# KiCad board panel1.kicad_pcb (continued)
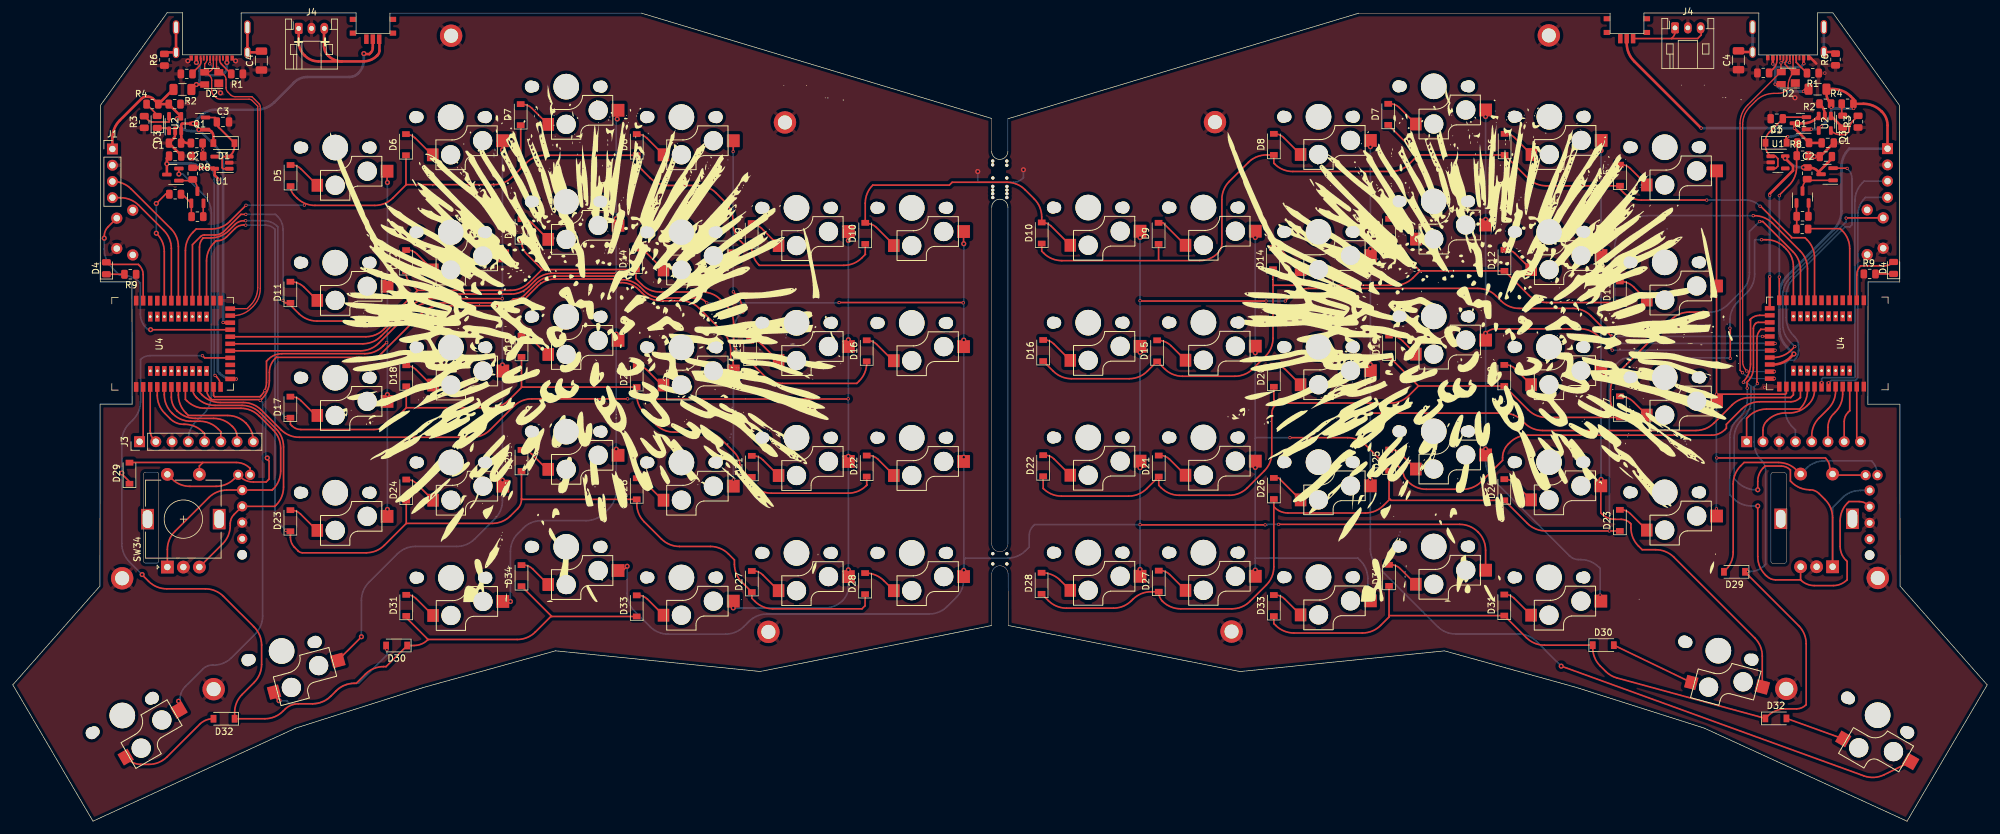
[diagram p0: board, top side]
## Routing (per net, layer and track width the routed paths; a pad name or vN(x,y) marks a point on that pad's centre or on a via; arc(x,y) is an arc through that point)
GND: length 22.2
  Top w0.4: C1.2 26.32,104.14 C2.2 ; C1#2.2 282.45,103.96 C2#2.2 ; U2#2.2 283.18,110.55 arc(283.02,111.32) 282.59,111.97 R2#2.2 ; 25.37,108.02 25.37,107.45 arc(25.29,107.07) 25.08,106.74 24.41,106.07 ; 281.84,118.52 280.94,119.42 J2.A1
  Bottom w0.25: v1(157.94,101.9) 157.94,100.66 157.81,100.53 arc(157.16,100.1) 156.4,99.94 150.8,99.94 v1(150.8,101.62)
  vias: v1(27.35,118.92) v1(32.46,113.92) v1(34.82,118.92) v1(278.51,113.16) v1(281.53,103.96) v2(27.43,112.29) v2(273.76,67.84) v2(283.18,117.02)
VBAT: length 84.5
  Top w0.4: SW33.2 56.26,120.94 arc(56.18,120.56) 55.96,120.23 55.72,119.99 54.94,119.99 v1(54.86,120.07) ; 27.81,106.07 27.32,106.07 arc(26.61,106.36) 26.32,107.07 26.32,108.95 26.49,109.12 v1(28.18,109.12) ; SW33#2.2 252.22,121.7 arc(252.52,120.17) 253.39,118.87 v2(263.85,108.41) ; U2#2.3 281.97,110.05 arc(280.99,109.4) 279.84,109.17 Q1.3 v2(278.43,108.41) 278.43,108.4 R7.2 280.73,106.1 C1#2.1
  Bottom w0.4: v1(54.86,120.07) 54.86,119.1 arc(54.63,117.95) 53.98,116.98 arc(53.35,116.56) 52.61,116.41 46.04,116.41 arc(44.9,116.18) 43.92,115.53 43.92,115.5 40.87,112.45 arc(39.57,111.58) 38.04,111.28 31.58,111.28 arc(30.43,111.05) 29.46,110.4 v1(28.18,109.12) ; v2(278.43,108.41) v2(263.85,108.41)
VBUS: length 142.6
  Top w0.4: v2(287.68,111.48) 287.64,111.52 R4.1 ; U4#2.22 32.89,77.98 v2(32.86,78) ; U2.4 26.1,110.26 v1(25.73,109.88) ; R2#2.1 284.02,112.36 arc(283.59,113.01) 283.44,113.78 F1#2.1 283.46,114.53 284.42,114.53 arc(285.95,114.22) 287.25,113.36 287.64,112.97 R4.1 ; 22.75,112.17 23.94,112.17 arc(24.32,112.09) 24.65,111.87 26.3,110.22 ; 22.75,112.17 21.9,113.02 arc(21.58,113.24) 21.19,113.31 20.82,113.31 arc(20.44,113.24) 20.12,113.02 16.74,109.64 arc(15.87,108.34) 15.57,106.81 J1.1 ; 22.75,112.17 25.04,114.45 ; v2(277.37,107.06) 277.21,106.9 D1.2 ; Q1#2.1 30.1,108.15 v1(29.08,108.15) ; J1#2.1 292.98,108.85 arc(292.75,110) 292.1,110.97 292.03,111.05 arc(290.73,111.91) 289.2,112.22 R4.1 ; U4.22 275.04,71.43 arc(276.57,71.73) 277.86,72.6 v1(278.35,73.08) ; D1#2.2 31.34,107.15 arc(31.26,107.54) 31.05,107.86 31.03,107.88 arc(30.71,108.09) 30.33,108.17
  Bottom w0.4: v2(277.37,107.06) 277.39,107.06 arc(278.92,107.37) 280.22,108.23 280.24,108.25 v2(281.08,108.25) 282.22,108.25 v2(282.61,108.65) 283.3,109.33 arc(283.95,110.31) 284.18,111.45 v2(284.18,111.66) 284.35,111.48 v2(287.68,111.48) ; v2(32.86,78) 32.86,102.71 arc(32.56,104.24) 31.69,105.54 v1(29.08,108.15) 28.88,107.95 27.91,107.95 arc(26.76,108.18) 25.79,108.83 25.73,108.89 v1(25.73,109.88) ; v1(278.35,73.08) 277.24,74.19 arc(276.38,75.49) 276.07,77.02 276.07,82.4 arc(276.38,83.93) 277.24,85.23 284.6,92.59 arc(285.47,93.88) 285.78,95.41 285.78,102.31 arc(286.08,103.84) 286.95,105.13 287.01,105.2 J1#2.1
VDD_NRF: length 82.9
  Top w0.4: U1#2.5 v1(276.99,103.68) 278.21,102.46 278.21,101.78 274.57,98.14 v2(274.57,97.91) ; U4.14 v2(274.57,85.16) ; U4#2.14 34.93,69.18 v2(34.95,69.16) ; C2#2.1 284.29,103.64 282.22,101.57 ; C2.1 24.08,103.7 v1(24.08,102.82) Q3#2.3 ; 282.22,101.57 282.11,101.67 arc(281.47,102.11) 280.7,102.26 R12#2.2 ; 282.22,101.57 Q3.3 ; v2(32.06,100.33) 32.06,100.53 31.55,101.03 U1.5 31.4,102.21 v1(29.26,102.21) R12.2
  Bottom w0.4: v2(32.06,100.33) 32.06,70.3 32.32,70.04 arc(33.29,69.39) 34.44,69.16 v2(34.95,69.16) ; v2(274.57,85.16) v2(274.57,97.91) ; v1(276.99,103.68) 277.53,103.14 arc(278.51,102.49) 279.65,102.26 v1(279.83,102.26) ; v1(29.26,102.21) 29.18,102.28 arc(28.53,102.72) 27.76,102.87 24.13,102.87 v1(24.08,102.82)
/CC1: length 6
  Top w0.25: R1#2.2 278.71,118.7 J2.A5 ; R1.2 32.63,118.4 arc(32.41,118.72) 32.34,119.1
/CC2: length 5.6
  Top w0.25: R5.2 275.12,117.7 arc(275.56,118.35) 275.71,119.11 J2.B5 ; J2#2.B5 29.41,119.29 29.41,118.8 arc(29.33,118.41) 29.12,118.09 28.09,117.06
BUSY: length 26.3
  Top w0.25: 288.74,59.41 288.17,59.98 U4.36 ; J3.8 37.59,59.46 arc(37.28,60.99) 36.42,62.28 36.41,62.29 arc(35.12,63.16) 33.58,63.46 27.44,63.46 27.05,63.86 arc(26.18,65.15) 25.88,66.68 U4#2.7
BVOLT: length 65.5
  Top w0.25: v2(31.61,69.72) 31.62,69.72 31.89,69.45 arc(32.32,68.8) 32.48,68.04 U4#2.13 ; 29.69,106.07 29.69,104.14 ; v2(276.07,97.84) 276.07,97.94 277.59,99.46 arc(278.46,100.76) 278.76,102.29 278.76,104.07 R8#2.2 278.88,104.19 R7.1 ; U4.13 v2(276.07,85.11)
  Bottom w0.25: v2(276.07,85.11) v2(276.07,97.84) ; v2(29.69,105) 29.71,104.98 29.71,104.59 arc(29.87,103.82) 30.3,103.17 30.31,103.16 arc(31.18,101.86) 31.48,100.33 31.48,69.85 v2(31.61,69.72)
COL0: length 210.5
  Top w0.25: U4.26 277.17,66.93 277.03,66.79 v2(266.26,66.79) SW2#2.2 ; v1(58.54,99.9) 58.49,99.95 SW2.2 ; SW32#2.S2 284.56,54.13 SW34#2.S2 283.95,54.75 283.95,55.31 arc(283.79,56.07) 283.36,56.72 283.26,56.82 v2(266.29,56.82) ; v1(39.77,56.82) 39.64,56.95 39.54,56.95 39.54,56.82 40.05,56.31 40.05,53.52 39.59,53.06 37.59,53.06 arc(36.44,53.29) 35.47,53.94 SW32.S2 34.59,53.55 arc(33.29,52.68) 31.76,52.38 27.69,52.38 arc(26.16,52.68) 24.86,53.55 SW34.S2 ; v2(266.24,48.87) 266.26,48.86 SW20#2.2 ; v2(58.42,74.88) 57.84,74.3 arc(56.54,73.43) 55.01,73.13 42.06,73.13 arc(40.91,72.9) 39.94,72.25 39.65,71.96 39.65,68.65 arc(39.42,67.51) 38.77,66.53 38.63,66.4 31.54,66.4 31.38,66.56 U4#2.12
  Bottom w0.25: v1(58.54,48.77) v1(58.54,66.73) 58.54,74.75 v2(58.42,74.88) 58.54,75.01 v1(58.54,84.68) v1(58.54,99.9) ; v2(39.4,67.35) 39.49,67.44 39.49,57 ; v2(266.26,66.79) 266.26,66.81 266.24,66.83 v2(266.24,48.87)
COL1: length 268.3
  Top w0.25: v2(76.5,81.74) 65.08,81.74 arc(63.55,81.43) 62.25,80.57 57.53,75.85 arc(56.23,74.98) 54.7,74.68 U4#2.19 ; U4.19 v2(275.41,74.73) ; v1(248.21,104.9) 248.22,104.92 SW3.2 ; SW21#2.2 248.17,48.22 248.3,48.1 arc(249.27,47.45) 250.42,47.22 251.34,47.22 arc(252.11,47.07) 252.76,46.63 252.88,46.51 252.88,45.88 arc(253.19,44.35) 254.05,43.05 254.64,42.47 256.76,42.47 arc(258.29,42.16) 259.59,41.3 272.23,28.66 arc(273.1,27.36) 273.4,25.83 SW26#2.2 ; v1(76.53,105) 76.52,105.01 SW3#2.2 ; v1(54.48,28.86) 54.48,28.83 SW26.2
  Bottom w0.25: 248.21,74.75 v1(248.21,89.41) v1(248.21,104.9) ; 248.21,74.75 v1(248.21,71.45) v1(248.21,53.47) ; 248.21,74.75 248.23,74.73 v2(275.41,74.73) ; v1(54.48,28.86) 54.48,34.54 arc(54.78,36.07) 55.65,37.37 60.09,41.81 arc(61.39,42.67) 62.92,42.98 69.36,42.98 arc(70.89,43.28) 72.19,44.15 75.35,47.32 arc(76.22,48.62) 76.53,50.15 v1(76.53,53.34) v1(76.53,71.37) v1(76.53,89.43) v1(76.53,105)
COL2: length 285.5
  Top w0.25: v2(94.31,85.71) 84.42,85.71 arc(82.89,85.41) 81.59,84.54 80.67,83.62 arc(79.37,82.75) 77.84,82.45 65.15,82.45 arc(63.62,82.14) 62.32,81.28 58,76.95 arc(56.7,76.08) 55.17,75.78 U4#2.20 ; SW27#2.2 77.76,34.38 v1(77.77,34.37) ; U4.20 275.38,73.63 v2(275.41,73.66) ; SW4#2.2 94.46,111.07 v1(94.46,109.83) ; v2(249.96,73.69) 247.81,75.84 arc(246.51,76.71) 244.98,77.01 231.69,77.01 arc(230.92,76.86) 230.27,76.43 v1(230.16,76.31)
  Bottom w0.25: v2(249.96,73.69) 249.99,73.66 v2(275.41,73.66) ; v1(77.77,34.37) 77.77,42.18 arc(78.08,43.71) 78.94,45.01 79.77,45.84 arc(81.07,46.71) 82.6,47.02 89.6,47.02 arc(91.13,47.32) 92.43,48.19 93.13,48.89 arc(94,50.19) 94.31,51.72 v1(94.31,58.19) v1(94.31,76.2) v2(94.31,85.71) v1(94.31,94.26) 94.31,109.93 94.38,110.01 94.46,109.93 v1(94.46,109.83) ; v2(248.06,35.38) 248.06,39.55 247.86,39.75 arc(246.56,40.61) 245.03,40.92 244.69,40.92 arc(243.93,41.07) 243.28,41.51 231.33,53.45 arc(230.47,54.75) 230.16,56.28 v1(230.16,58.2) v1(230.16,76.31) v1(230.16,94.12) v1(230.16,110.22)
COL3: length 439.7
  Top w0.25: SW5.2 112.59,104.77 v2(112.57,104.75) ; SW28.2 292.44,7.27 arc(290.89,6.85) 289.29,7.09 v1(241.99,24.26) ; v2(112.61,82.79) 112.92,82.48 arc(113.79,81.18) 114.09,79.65 v2(114.09,79.63) ; SW28#2.2 25.9,17.46 v1(25.9,18.77) ; U4#2.11 30.28,67.58 arc(30.43,66.81) 30.86,66.16 31.09,65.94 38.81,65.94 38.92,66.05 arc(39.79,67.35) 40.1,68.88 40.1,70.23 arc(40.32,71.37) 40.97,72.35 41.2,72.57 41.21,72.55 56.98,72.55 56.99,72.54 63.91,79.46 arc(65.2,80.32) 66.74,80.63 77.8,80.63 77.85,80.68 arc(78.5,81.11) 79.27,81.26 79.58,81.26 81.96,83.64 arc(83.26,84.51) 84.79,84.81 93.76,84.81 94.32,84.25 95.06,84.25 arc(96.59,83.95) 97.89,83.08 98.4,82.57 arc(99.7,81.7) 101.23,81.4 104.44,81.4 arc(105.97,81.1) 107.27,80.23 111.02,76.48 arc(111.88,75.19) 112.19,73.65 112.19,72.37 112.59,71.96 SW17.2 ; v2(212.14,63.83) 233.04,63.83 arc(234.57,63.53) 235.87,62.66 236.24,62.28 arc(237.54,61.42) 239.07,61.11 263.04,61.11 arc(264.57,61.42) 265.86,62.28 268.68,65.1 arc(269.98,65.96) 271.51,66.27 277.85,66.27 278.27,66.69 U4.27
  Bottom w0.25: v2(112.62,53.39) v2(112.62,69.42) 112.62,76.6 arc(112.92,78.13) 113.79,79.43 113.99,79.63 v2(114.09,79.63) ; v1(212.15,105.5) v1(212.15,89.5) v1(212.15,71.41) 212.15,63.84 v2(212.14,63.83) 212.15,63.82 212.15,42.61 arc(212.46,41.08) 213.33,39.79 222.65,30.46 arc(223.95,29.59) 225.48,29.29 235.3,29.29 arc(236.83,28.98) 238.13,28.11 v1(241.99,24.26) ; v1(25.9,18.77) 26.11,18.77 26.11,18.98 arc(26.34,20.12) 26.99,21.1 29.71,23.82 arc(30.36,24.26) 31.13,24.41 31.36,24.41 arc(32.89,24.71) 34.19,25.58 37.87,29.27 arc(38.74,30.56) 39.04,32.09 39.04,65.5 38.71,65.84 38.69,65.82 v2(38.66,65.82) ; v2(112.57,104.75) v2(112.57,87.48) 112.57,82.83 v2(112.61,82.79)
  vias: v1(212.15,53.45)
COL4: length 355.2
  Top w0.25: U4#2.10 29.18,67.09 29.6,66.66 arc(30.9,65.79) 32.43,65.49 36.01,65.49 arc(37.54,65.19) 38.84,64.32 41.93,61.23 arc(43.23,60.36) 44.76,60.05 71.78,60.05 arc(73.31,60.36) 74.61,61.23 78.28,64.89 arc(79.57,65.76) 81.1,66.07 v2(96.08,66.07) ; U4.28 279.37,66.29 279.27,66.19 arc(278.63,65.76) 277.86,65.61 272.98,65.61 arc(271.45,65.3) 270.15,64.44 267.79,62.08 267.79,61.47 267.58,61.25 arc(266.61,60.6) 265.46,60.38 236.76,60.38 arc(235.23,60.07) 233.93,59.2 233.7,58.97 arc(233.04,58) 232.82,56.85 232.82,56.44 229.47,53.09 arc(228.17,52.22) 226.64,51.92 220.91,51.92 arc(219.38,52.22) 218.08,53.09 217.86,53.31 arc(217.42,53.96) 217.27,54.73 217.27,54.76 216.36,55.67 arc(215.06,56.54) 213.53,56.85 213.41,56.85 211.43,58.82 arc(210.14,59.69) 208.6,59.99 v2(199.59,59.99) ; v2(130.55,66.07) 130.53,66.04 v2(99.11,66.04) ; v1(130.58,90.83) 130.58,90.83 SW6#2.2 ; v1(211.76,36.12) 212.16,35.72 SW29.2 ; SW29#2.2 v1(112.59,33.35)
  Bottom w0.25: 194.17,59.91 v1(194.17,55.33) 194.17,41.16 ; 194.17,59.91 v1(194.17,73.27) v1(194.17,91.3) ; 194.17,59.91 194.26,59.99 v2(199.59,59.99) ; v1(211.76,36.12) 211.76,37.94 arc(211.46,39.47) 210.59,40.77 210.2,41.16 194.17,41.16 ; v2(96.08,66.07) 99.08,66.07 v2(99.11,66.04) ; v1(112.59,33.35) 126.87,33.35 arc(128.4,33.66) 129.7,34.53 129.7,34.53 arc(130.35,35.5) 130.58,36.65 v1(130.58,39.32) v1(130.58,57.07) v1(130.58,75.31) v1(130.58,90.83) ; 194.17,41.16 v1(194.17,39.28)
COL5: length 486.1
  Top w0.25: v2(198.86,81.36) 199.67,82.17 arc(200.96,83.03) 202.49,83.34 228.98,83.34 arc(230.51,83.03) 231.8,82.17 232.58,81.38 arc(233.88,80.52) 235.41,80.21 243.81,80.21 arc(245.34,79.91) 246.64,79.04 249.86,75.82 v2(249.96,75.82) ; v1(96.01,39.88) 95.34,39.21 SW30#2.2 ; v2(176.16,46.39) 176.16,46.42 176.2,46.46 176.3,46.35 v2(195.71,46.35) ; U4.18 v2(273.43,75.83) ; SW7#2.2 148.58,90.35 v1(148.61,90.32) ; v2(108.45,81.08) 108.27,81.26 arc(107.62,81.7) 106.85,81.85 101.41,81.85 arc(99.88,82.15) 98.59,83.02 98.08,83.53 arc(96.78,84.4) 95.25,84.7 94.5,84.7 93.94,85.26 84.6,85.26 arc(83.07,84.96) 81.78,84.09 79.98,82.3 arc(79.34,81.86) 78.57,81.71 78.25,81.71 78.2,81.66 arc(77.56,81.23) 76.79,81.08 65.15,81.08 arc(63.62,80.77) 62.32,79.91 57.17,74.75 arc(55.87,73.88) 54.34,73.58 U4#2.18 ; v2(176.16,81.42) 176.1,81.36 v2(195.86,81.36) ; v2(148.54,81.08) 148.48,81.13 v2(129.13,81.13) ; SW30.2 230.16,42.4 arc(229.86,43.93) 228.99,45.23 228.96,45.26 arc(227.66,46.13) 226.13,46.43 v2(197.82,46.43)
  Bottom w0.25: v2(198.86,81.36) v2(195.86,81.36) ; v1(176.16,39.38) v2(176.16,46.39) ; v2(176.16,46.39) v1(176.16,55.28) v1(176.16,73.34) v2(176.16,81.42) v1(176.16,91.3) ; v2(176.16,46.39) 159.68,46.39 159.44,46.15 arc(159,45.5) 158.85,44.73 158.85,42.9 158.27,42.32 arc(156.97,41.45) 155.44,41.14 148.92,41.14 148.61,40.84 v1(148.61,39.24) ; v2(249.96,75.82) 249.97,75.83 v2(273.43,75.83) ; v2(129.13,81.13) 129.08,81.08 v2(108.45,81.08) ; v2(195.71,46.35) 195.99,46.35 196.06,46.43 v2(197.82,46.43) ; v1(96.01,39.88) 96.01,35.67 arc(96.31,34.14) 97.18,32.84 99.59,30.43 arc(100.88,29.57) 102.41,29.26 111.39,29.26 arc(112.93,29.57) 114.22,30.43 115.03,31.24 arc(116.33,32.11) 117.86,32.41 143.2,32.41 arc(144.73,32.72) 146.02,33.58 147.44,35 arc(148.31,36.3) 148.61,37.83 v1(148.61,39.24) ; v1(148.61,90.32) v1(148.61,75.26) v1(148.61,56.95) v1(148.61,39.24)
CS: length 25
  Top w0.25: U4.29 280.47,67.34 arc(280.16,65.81) 279.3,64.52 279.25,64.47 274.07,64.47 arc(272.54,64.16) 271.24,63.29 270.96,63.01 270.96,59.41 ; J3.1 20.38,59.93 U4#2.2
D+: length 110.9
  Top w0.2: J2.A6 277.71,118.72 v2(277.66,118.67) ; J2.B6 276.71,119 v2(276.33,118.62) 276.33,117.21 D2.3 276.29,117.18 271.1,112 arc(270.24,110.7) 269.93,109.17 269.93,70.53 v2(270.31,70.15) ; U4#2.24 36.63,80.18 37.11,80.66 arc(37.98,81.95) 38.28,83.48 38.28,111.85 37.4,112.73 arc(37.18,112.88) 36.93,112.93 32.44,112.93 arc(32.06,113.01) 31.73,113.22 31.38,113.58 arc(31.16,113.9) 31.09,114.28 31.09,115.89 arc(31.01,116.28) 30.79,116.6 30.26,117.13 ; D2#2.3 29.99,118.45 30.04,118.51 arc(30.26,118.83) 30.34,119.21 ; J2#2.A6 31.34,117.93 31.19,117.78 31.19,117.63 30.98,117.42 arc(30.66,117.21) 30.28,117.13
  Bottom w0.2: v2(275.31,69.24) 275.3,69.23 272.48,69.23 arc(271.33,69.46) 270.36,70.11 v2(270.31,70.15) ; v2(276.33,118.62) 276.38,118.67 v2(277.66,118.67)
D-: length 111.7
  Top w0.2: J2.A7 277.21,119.01 277.14,118.94 277.14,118.86 276.96,118.69 276.96,118.39 278.17,117.18 D2.2 278.21,117.53 J2.B7 ; U4#2.23 34.44,79.08 arc(35.97,79.38) 37.27,80.25 37.51,80.49 arc(38.38,81.79) 38.68,83.32 38.68,111.75 arc(38.63,111.99) 38.49,112.2 37.37,113.33 34.73,113.33 arc(34.35,113.4) 34.03,113.62 33.61,114.03 arc(33.4,114.36) 33.32,114.74 33.32,115.99 arc(33.24,116.38) 33.03,116.7 32.6,117.13 ; 278.38,117.18 278.32,117.12 arc(277.67,116.15) 277.44,115 277.44,114.55 277.32,114.43 arc(276.67,114) 275.9,113.84 275.22,113.84 arc(273.69,113.54) 272.39,112.67 271.5,111.78 arc(270.64,110.48) 270.33,108.95 270.33,71.9 arc(270.48,71.13) 270.92,70.48 v2(270.99,70.41) ; v2(32.05,117.78) 32.05,117.27 ; J2#2.A7 30.84,118.7 30.78,118.64 v2(30.78,118.47) ; J2#2.B7 31.84,117.48
  Bottom w0.2: v2(275.31,70.33) 275.3,70.33 271.07,70.33 ; v2(32.05,117.78) 32.1,117.73 32.1,117.58 32.08,117.58 arc(31.7,117.65) 31.38,117.87 v2(30.78,118.47)
DC: length 22.5
  Top w0.25: J3#2.2 273.51,61.17 arc(273.66,61.94) 274.09,62.59 274.19,62.68 arc(275.49,63.55) 277.02,63.86 277.62,63.86 arc(279.15,64.16) 280.45,65.03 280.69,65.27 arc(281.34,66.25) 281.57,67.39 U4.30 ; U4#2.3 21.48,61.06 arc(21.63,60.29) 22.06,59.65 J3.2
Earth: length 23.5
  Top w0.4: J2#2.S2 J2#2.S4 38.75,120.27 ; C4#2.2 269.87,120.32 J2.S3 ; R6#2.2 284.6,120.32 J2.S4 ; J2#2.S1 J2#2.S3 23.92,120.27
  Bottom w0.4: J2.S1 J2.S3 ; J2.S2 J2.S4
LED_1: length 21.9
  Top w0.25: D4.2 14.95,87.1 19.61,87.1 19.79,86.91 arc(20.22,86.26) 20.38,85.5 U4#2.36 ; D4#2.2 293.9,87.45 arc(293.25,87.02) 292.48,86.87 288.77,86.87 288.75,86.85 arc(288.32,86.2) 288.17,85.44 U4.2
MOSI: length 23.7
  Top w0.25: J3.6 32.51,60.94 32.05,61.39 arc(30.76,62.26) 29.23,62.56 27.82,62.56 arc(26.28,62.87) 24.99,63.73 24.85,63.87 arc(23.98,65.17) 23.68,66.7 U4#2.5 ; U4.34 285.97,66.8 arc(285.66,65.27) 284.8,63.97 284.55,63.72 arc(283.9,62.75) 283.67,61.6 J3#2.6
PWR: length 98.2
  Top w0.25: Q3.2 286.63,102.14 v2(286.66,102.11) ; Q3#2.2 25.95,101.22 v1(25.96,101.22)
  Bottom w0.25: v1(25.96,101.22) 26.59,101.22 29.86,97.95 arc(30.73,96.65) 31.04,95.12 31.04,66.58 arc(30.73,65.05) 29.86,63.75 28.6,62.49 arc(27.73,61.19) 27.43,59.66 J3.4 ; v2(286.66,102.11) 286.84,101.93 arc(287.27,101.28) 287.43,100.52 287.43,93.29 287.1,92.96 286.36,92.96 278.31,84.92 arc(277.44,83.62) 277.14,82.09 277.14,78.75 arc(277.44,77.22) 278.31,75.92 278.49,75.74 arc(278.92,75.09) 279.07,74.33 279.07,73.61 arc(278.92,72.85) 278.49,72.2 278.4,72.11 277.52,72.11 276.99,71.58 276.99,64.45 arc(277.29,62.91) 278.16,61.62 278.59,61.19 J3#2.4
PWR_EN: length 34.9
  Top w0.25: R10#2.1 23.87,98.07 v1(22.42,96.62) ; U4#2.33 23.68,89.06 arc(23.37,90.6) 22.51,91.89 v1(22.42,91.97) ; R10.1 280.62,92.68 285.6,92.68 285.9,92.38 arc(286.76,91.09) 287.07,89.56 U4.3
  Bottom w0.25: v1(22.42,91.97) v1(22.42,96.62)
RAW: length 30.2
  Top w0.4: v2(275.41,115.29) 275.42,115.28 D2.4 ; J2.A4 275.05,119.41 v2(275.05,118.44) ; F1.2 v1(28.69,115.23) D2#2.4 ; v2(279.91,118.49) 279.86,118.54 J2.A4 ; J2#2.A4 v1(28.69,118.68) ; F1#2.2 280.19,114.5 v2(279.83,114.15) ; v1(33.45,118.67) 33.49,118.7 J2#2.A4
  Bottom w0.4: 275.53,117.97 v2(275.05,118.44) ; 275.53,117.97 279.38,117.97 v2(279.91,118.49) ; 275.53,117.97 275.41,117.85 v2(275.41,115.29) 275.68,115.03 arc(276.65,114.38) 277.8,114.15 v2(279.83,114.15) ; v1(28.69,115.23) 28.73,115.19 28.8,115.19 28.91,115.3 arc(29.13,115.63) 29.21,116.01 29.21,117.75 arc(29.13,118.13) 28.91,118.45 v1(28.69,118.68) ; v1(33.45,118.67) 33.45,117.85 arc(33.38,117.46) 33.16,117.14 33,116.98 arc(32.68,116.76) 32.3,116.69 30.33,116.69 arc(29.95,116.76) 29.62,116.98 29.21,117.4
RESET: length 69.5
  Top w0.25: v2(286.51,94.34) 286.55,94.38 SW1#2.1 ; U4.21 275.11,72.53 arc(276.64,72.83) 277.94,73.7 v2(278.49,74.24) ; v1(21.54,76.89) 21.55,76.88 U4#2.21 ; v1(14.3,91.19) 14.3,91.55 arc(14.45,92.31) 14.88,92.96 SW1.1
  Bottom w0.25: v2(286.51,94.34) 286.51,93.75 277.77,85.01 arc(276.9,83.71) 276.6,82.18 276.6,77.79 arc(276.9,76.26) 277.77,74.96 v2(278.49,74.24) ; v1(14.3,91.19) 14.3,89.44 arc(14.6,87.91) 15.47,86.61 16.66,85.42 17.03,85.42 arc(18.56,85.12) 19.86,84.25 19.94,84.18 19.94,79.32 arc(20.16,78.17) 20.81,77.2 21.08,76.94 21.48,76.94 v1(21.54,76.89)
ROT1A: length 128.5
  Top w0.25: v1(272.7,51.84) 272.7,53.17 arc(272.92,54.31) 273.58,55.29 273.84,55.55 276.36,55.55 arc(277.13,55.4) 277.78,54.96 277.8,54.94 277.8,53.21 278,53.01 arc(279.3,52.15) 280.83,51.84 280.86,51.84 arc(281.62,51.69) 282.27,51.26 283.22,50.31 arc(284.09,49.01) 284.39,47.48 SW34#2.A ; 270.33,68.63 270.4,68.69 arc(271.26,69.99) 271.57,71.52 271.57,78.29 271.45,78.41 271.58,78.54 arc(272.23,78.97) 273,79.13 U4.15 ; SW34.A 24.16,42.49 arc(24.46,44.02) 25.33,45.32 30.63,50.62 arc(31.92,51.49) 33.45,51.79 SW32.A 40.49,51.79 40.52,51.77 40.69,51.94 arc(41.56,53.24) 41.86,54.77 41.86,58.36 arc(41.56,59.89) 40.69,61.19 38.46,63.42 arc(37.17,64.29) 35.64,64.59 30.03,64.59 arc(28.5,64.89) 27.2,65.76 26.98,65.98 U4#2.8
  Bottom w0.25: v2(270.46,68.65) 270.48,68.65 270.48,68.66 270.54,68.61 271.04,68.61 271.63,68.02 271.63,65.87 arc(271.32,64.34) 270.46,63.04 270.18,62.77 arc(269.32,61.47) 269.01,59.94 269.01,53.57 269.57,53.01 arc(270.86,52.15) 272.4,51.84 v1(272.7,51.84) ; SW32#2.A 288.73,51.74 arc(287.2,51.44) 285.9,50.57 284.3,48.97 284.39,48.88 SW34#2.A
ROT1B: length 124.2
  Top w0.25: SW34.B 32.81,43.41 arc(33.68,44.7) 33.98,46.23 33.98,46.55 arc(34.13,47.32) 34.57,47.97 SW32.B 40.92,49.25 40.94,49.23 41.14,49.43 arc(42.01,50.72) 42.31,52.25 42.31,58.55 arc(42.01,60.08) 41.14,61.38 38.65,63.87 arc(37.35,64.74) 35.82,65.04 31.61,65.04 arc(30.08,65.34) 28.78,66.21 28.66,66.33 arc(28.23,66.98) 28.08,67.74 U4#2.9 ; 279.39,37.75 279.41,37.73 arc(280.38,37.08) 281.53,36.86 284.51,36.86 arc(285.66,37.08) 286.63,37.73 286.66,37.77 286.66,40.64 286.45,40.85 arc(285.8,41.83) 285.57,42.97 285.57,46.98 arc(285.88,48.51) 286.74,49.8 286.94,50 288.55,50 arc(289.32,49.85) 289.97,49.41 SW32#2.B ; 279.39,37.75 275.49,37.75 arc(274.73,37.91) 274.08,38.34 273.87,38.55 arc(273,39.85) 272.7,41.38 v1(272.7,49.3) ; 279.39,37.75 SW34#2.B ; U4.16 272.76,78.03 arc(272.56,77.99) 272.4,77.88 272.31,77.79 arc(272.09,77.46) 272.02,77.08 272.02,70.92 arc(271.79,69.77) 271.14,68.8 271.03,68.69 271.03,67.76 v2(271.05,67.74)
  Bottom w0.25: v2(271.05,67.74) 271.07,67.73 271.07,66.07 arc(270.76,64.54) 269.9,63.24 269.5,62.84 arc(268.63,61.55) 268.33,60.01 268.33,51.05 268.91,50.47 arc(270.2,49.61) 271.74,49.3 v1(272.7,49.3)
ROW0: length 307.9
  Top w0.25: 179.07,87.81 179.06,87.82 D9#2.1 ; v2(264.72,97.15) 254.54,97.15 arc(253.01,97.46) 251.71,98.33 251.17,98.87 D5#2.1 239.62,99.39 arc(238.09,99.7) 236.79,100.56 D6.1 219.65,104.22 ; v2(36.45,96.34) 33.91,93.81 arc(32.61,92.94) 31.08,92.63 28.67,92.63 28.15,92.11 arc(27.28,90.81) 26.98,89.28 U4#2.30 ; 61.49,99.57 75.2,99.57 arc(76.73,99.87) 78.03,100.74 79.37,102.08 ; 61.49,99.57 59.41,97.49 arc(58.11,96.62) 56.58,96.32 47.22,96.32 arc(45.69,96.62) 44.39,97.49 43.99,97.89 arc(43.56,98.54) 43.4,99.3 D5.1 ; 61.49,99.57 61.44,99.62 D6#2.1 ; 219.65,104.22 D7#2.1 ; 219.65,104.22 218.23,102.8 arc(216.93,101.93) 215.4,101.63 200.03,101.63 arc(198.5,101.93) 197.2,102.8 197.07,102.93 D8.1 195.92,104.22 arc(194.39,103.91) 193.09,103.05 190.12,100.08 arc(189.26,98.78) 188.95,97.25 188.95,90.31 arc(188.8,89.55) 188.36,88.9 188.32,88.85 arc(187.02,87.99) 185.49,87.68 163.94,87.68 arc(162.41,87.99) 161.11,88.85 160.8,89.16 D10#2.1 ; U4.8 281.57,88.12 arc(281.26,89.65) 280.4,90.95 280.09,91.26 277.98,91.26 277.98,91.36 273.15,96.19 v2(273.05,96.19) ; D10.1 133.22,88.7 133.24,88.67 132.69,88.12 arc(131.39,87.25) 129.86,86.94 116.66,86.94 116.64,86.97 arc(115.77,88.26) 115.46,89.8 D9.1 114.22,90.25 113.72,90.75 arc(112.85,92.05) 112.54,93.58 112.54,93.97 arc(112.24,95.51) 111.37,96.8 109.91,98.27 arc(108.61,99.14) 107.08,99.44 102.44,99.44 arc(100.91,99.75) 99.61,100.61 98.39,101.84 arc(97.74,102.81) 97.51,103.96 D8#2.1 83.11,104.17 arc(81.58,103.86) 80.28,103 79.37,102.08 ; 79.37,102.08 D7.1
  Bottom w0.25: v2(45.56,96.37) 45.54,96.34 v2(36.45,96.34) ; v2(273.05,96.19) 272.96,96.28 arc(271.99,96.93) 270.84,97.15 v2(264.72,97.15)
ROW1: length 322.2
  Top w0.25: D11#2.1 v2(250.34,81.13) 239.72,81.13 arc(238.19,81.43) 236.89,82.3 D12#2.1 219.92,86.08 ; 63.27,83.03 77.79,83.03 arc(79.32,83.34) 80.62,84.2 82.7,86.29 82.75,86.29 ; 63.27,83.03 59.64,79.4 arc(58.34,78.54) 56.81,78.23 47.53,78.23 arc(45.99,78.54) 44.7,79.4 43.38,80.72 D11.1 42.62,81.08 v2(42.24,81.46) ; 63.27,83.03 62.05,84.25 arc(61.62,84.9) 61.46,85.67 D12.1 ; 196.94,83.83 216,83.83 arc(217.54,84.13) 218.83,85 219.92,86.08 ; 196.94,83.83 D14#2.1 ; 196.94,83.83 196.94,75.56 arc(196.64,74.03) 195.77,72.73 193.81,70.77 arc(192.51,69.9) 190.98,69.6 182.81,69.6 arc(181.28,69.9) 179.98,70.77 D15#2.1 177.3,70.39 arc(176,69.52) 174.47,69.21 165.44,69.21 arc(163.91,69.52) 162.61,70.39 D16.1 ; v2(271.98,94.72) 272.16,94.72 arc(273.69,94.41) 274.98,93.55 279.3,89.23 arc(280.16,87.93) 280.47,86.4 U4.9 ; 219.92,86.08 D13.1 ; 82.75,86.29 80.38,88.66 arc(79.73,89.63) 79.5,90.78 D13#2.1 ; 82.75,86.29 D14.1 97.38,84.91 97.35,84.89 98.29,83.95 arc(99.59,83.08) 101.12,82.78 107.76,82.78 arc(109.29,82.47) 110.59,81.61 111.47,80.72 arc(112.34,79.43) 112.65,77.9 112.65,75.32 arc(112.95,73.79) 113.82,72.49 114.44,71.87 D15.1 117.46,69.65 arc(118.75,68.78) 120.28,68.48 131.9,68.48 132.28,68.86 arc(133.14,70.15) 133.45,71.69 D16#2.1 ; v2(36.42,94.92) 35.66,94.92 33.02,92.28 arc(32.37,91.85) 31.6,91.69 29.94,91.69 arc(29.61,91.63) 29.34,91.45 28.08,90.18 U4#2.29
  Bottom w0.25: v2(271.98,94.72) 255.33,94.72 arc(253.8,94.41) 252.5,93.55 251.51,92.56 arc(250.65,91.26) 250.34,89.73 250.34,81.13 v2(250.34,81.13) ; v2(42.24,81.46) 42.24,92.51 arc(42.01,93.66) 41.36,94.63 41.07,94.92 v2(36.42,94.92)
ROW2: length 343.3
  Top w0.25: D22#2.1 161.03,52.05 161.06,52.02 arc(162.36,51.16) 163.89,50.85 174.38,50.85 arc(175.91,51.16) 177.21,52.02 D21.1 179.09,52.54 179.47,52.15 arc(180.77,51.28) 182.3,50.98 190.11,50.98 arc(191.64,51.28) 192.94,52.15 195.58,54.78 arc(196.44,56.08) 196.75,57.61 196.75,63.74 arc(196.9,64.5) 197.33,65.15 197.59,65.4 ; v2(272.97,93.8) 273.48,93.8 278.2,89.09 arc(279.06,87.79) 279.37,86.26 U4.10 ; 61.49,64.67 D18#2.1 ; 61.49,64.67 74.67,64.67 arc(76.2,64.97) 77.49,65.84 79.57,67.92 ; 61.49,64.67 59.26,62.44 arc(57.96,61.57) 56.43,61.27 45.02,61.27 arc(44.26,61.42) 43.61,61.85 43.38,62.08 D17#2.1 42.71,63.11 v2(42.67,63.15) ; 219.67,68.07 D19.1 ; 219.67,68.07 218.18,66.58 arc(216.88,65.71) 215.35,65.4 197.59,65.4 ; 219.67,68.07 D18.1 236.83,64.33 arc(238.13,63.46) 239.66,63.16 D17.1 ; 79.57,67.92 79.5,68 D19#2.1 ; 79.57,67.92 79.6,67.9 D20#2.1 97.51,66.68 arc(97.81,65.15) 98.68,63.85 100.5,62.03 arc(101.8,61.16) 103.33,60.86 107.94,60.86 arc(109.47,60.55) 110.77,59.69 112.76,57.7 arc(113.41,56.73) 113.64,55.58 113.64,55.3 115.08,53.85 D21#2.1 115.49,52.71 115.72,52.48 arc(117.01,51.61) 118.54,51.31 130.55,51.31 arc(132.08,51.61) 133.37,52.48 133.5,52.6 133.45,52.65 D22.1 ; U4#2.28 29.18,89.82 arc(29.33,90.59) 29.76,91.23 29.77,91.24 30.95,91.24 arc(32.48,91.54) 33.78,92.41 34.72,93.34 arc(35.37,93.78) 36.13,93.93 v2(36.39,93.93) ; D20.1 197.07,65.92 197.59,65.4 ; 250.96,63.16 250.85,63.27 arc(249.99,64.57) 249.68,66.1 249.68,67.3 arc(249.99,68.83) 250.85,70.13 259.18,78.46 arc(260.48,79.32) 262.01,79.63 v2(264.19,79.63)
  Bottom w0.25: v2(42.67,63.15) 42.6,63.22 arc(41.73,64.52) 41.42,66.05 41.42,92.96 41.34,93.05 arc(40.36,93.7) 39.22,93.93 v2(36.39,93.93) ; v2(272.97,93.8) 271.45,92.28 ; v2(264.19,79.63) 265.2,79.63 arc(266.73,79.93) 268.02,80.8 270.23,83 arc(271.09,84.3) 271.4,85.83 271.4,92.28
ROW3: length 376.3
  Top w0.25: 215.19,50.37 214.2,49.38 arc(212.9,48.51) 211.37,48.21 199.29,48.21 arc(198.14,48.44) 197.17,49.09 197.07,49.18 ; 215.19,50.37 215.08,50.48 D25#2.1 ; 215.19,50.37 215.36,50.19 D24#2.1 236.7,46.58 arc(238,45.71) 239.53,45.4 D23.1 ; D28.1 133.19,33.71 132.71,33.22 118.8,33.22 arc(117.27,33.53) 115.97,34.4 115.49,34.87 D27.1 113.94,37.39 arc(113.08,38.68) 112.77,40.22 112.77,40.87 111.84,41.81 arc(110.54,42.67) 109.01,42.98 104.19,42.98 arc(102.66,43.28) 101.36,44.15 98.68,46.84 arc(97.81,48.13) 97.51,49.66 D26#2.1 79.57,50.35 79.5,50.42 ; D26.1 197.07,39.77 arc(196.77,38.24) 195.9,36.95 193.35,34.39 arc(192.05,33.53) 190.52,33.22 182.5,33.22 arc(180.97,33.53) 179.68,34.39 179.67,34.4 arc(179.24,35.05) 179.09,35.81 D27#2.1 177.88,35.89 arc(176.35,35.59) 175.05,34.72 174.83,34.5 arc(173.53,33.63) 172,33.32 164.67,33.32 arc(163.14,33.63) 161.84,34.5 D28#2.1 ; 61.49,46.58 D24.1 ; 61.49,46.58 74.95,46.58 arc(76.48,46.89) 77.77,47.76 78.91,48.89 arc(79.35,49.54) 79.5,50.31 79.5,50.42 ; 61.49,46.58 58.06,43.16 arc(56.77,42.29) 55.24,41.99 45.29,41.99 arc(44.91,42.06) 44.59,42.28 44.55,42.31 44.55,42.32 44.03,42.84 44.02,42.84 arc(43.55,43.55) 43.38,44.4 D23#2.1 42.83,45.35 v2(42.67,45.52) ; v2(268.4,72.39) 268.4,77.06 v2(268.35,77.11) ; 79.5,50.42 D25.1 ; v2(36.39,93.23) 36.39,93.27 36.11,93.27 arc(35.34,93.12) 34.69,92.68 33.38,91.37 arc(32.73,90.94) 31.97,90.79 31.77,90.79 31.45,90.46 arc(30.58,89.17) 30.28,87.64 U4#2.27 ; v2(273.28,90.96) 274.03,90.96 arc(275.57,90.65) 276.86,89.79 277.1,89.55 arc(277.96,88.25) 278.27,86.72 U4.11
  Bottom w0.25: v2(42.67,45.52) 42.15,46.04 arc(41.28,47.34) 40.97,48.87 40.97,92.58 40.91,92.64 arc(40.26,93.08) 39.49,93.23 v2(36.39,93.23) ; v2(268.4,72.39) 268.27,72.52 268.25,72.52 268.2,72.47 252.39,72.47 arc(251.62,72.31) 250.98,71.88 250.69,71.59 arc(249.82,70.29) 249.52,68.76 v2(249.52,45.4) ; v2(273.28,90.96) 272.29,90.96 272.21,90.88 272.21,85.53 arc(271.91,84) 271.04,82.7 269.52,81.18 arc(268.66,79.88) 268.35,78.35 v2(268.35,77.11)
ROW4: length 332.5
  Top w0.25: v1(17.04,54.46) 17.01,54.43 17.01,54.33 18.54,52.81 ; v2(272.64,68.45) 272.64,68.61 272.62,68.63 272.62,68.66 272.57,68.71 272.57,75.5 arc(272.72,76.26) 273.15,76.91 273.17,76.93 U4.17 ; v2(29.64,72.82) 29.98,72.48 U4#2.17 ; 20.24,38.51 21.23,37.52 arc(22.53,36.65) 24.06,36.35 30.09,36.35 arc(31.62,36.04) 32.92,35.18 37.71,30.38 arc(38.58,29.08) 38.88,27.55 38.88,24.53 arc(38.58,23) 37.71,21.7 35.84,19.82 arc(34.97,18.53) 34.67,17 D32#2.1 39.39,16.03 arc(40.92,16.33) 42.21,17.2 42.5,17.49 arc(43.47,18.14) 44.62,18.36 46.85,18.36 arc(48.38,18.67) 49.68,19.54 50.54,20.39 arc(51.84,21.26) 53.37,21.57 53.67,21.57 55.11,23.01 arc(56.41,23.88) 57.94,24.18 58.34,24.18 D30.1 62.71,27.48 arc(63.86,27.71) 64.83,28.36 64.89,28.42 ; 215.08,32.24 D34#2.1 ; 215.08,32.24 215.08,31.96 215.09,31.95 213.74,30.61 arc(212.45,29.74) 210.92,29.44 200.21,29.44 arc(198.68,29.74) 197.38,30.61 197.07,30.92 D33.1 ; 215.08,32.24 215.16,32.16 D31.1 236.54,28.71 arc(237.84,27.84) 239.37,27.53 D30#2.1 246.9,27.12 arc(247.21,25.59) 248.08,24.29 248.93,23.43 arc(249.75,22.8) 250.71,22.4 D32.1 274.21,16.41 arc(275.5,17.27) 277.04,17.58 278.77,17.58 arc(279.54,17.73) 280.19,18.16 280.26,18.24 280.26,27.76 arc(279.96,29.29) 279.09,30.58 270.71,38.96 D29#2.1 ; 64.89,28.42 78.83,28.42 arc(80.36,28.73) 81.66,29.59 84.09,32.03 84.23,32.03 ; 64.89,28.42 61.49,31.83 D31#2.1 ; 84.23,32.03 D34.1 ; 84.23,32.03 D33#2.1
  Bottom w0.25: v2(271.14,39.07) 271.55,39.07 arc(272.7,39.29) 273.67,39.94 273.93,40.2 273.93,54.96 arc(273.77,55.73) 273.34,56.38 273.3,56.41 arc(272.44,57.71) 272.13,59.24 272.13,67.94 v2(272.64,68.45) ; v2(29.64,72.82) 21.4,72.82 arc(20.63,72.67) 19.98,72.24 19.96,72.21 19.96,65.61 arc(19.66,64.08) 18.79,62.79 18.21,62.21 arc(17.34,60.91) 17.04,59.38 v1(17.04,54.46) 17.04,43.42 arc(17.34,41.88) 18.21,40.59 v1(20.21,38.58)
